# Allegro board RK_EVB1_RK3576_LP4XD200P132SD6_V12_20240530YWQ.brd (continued)
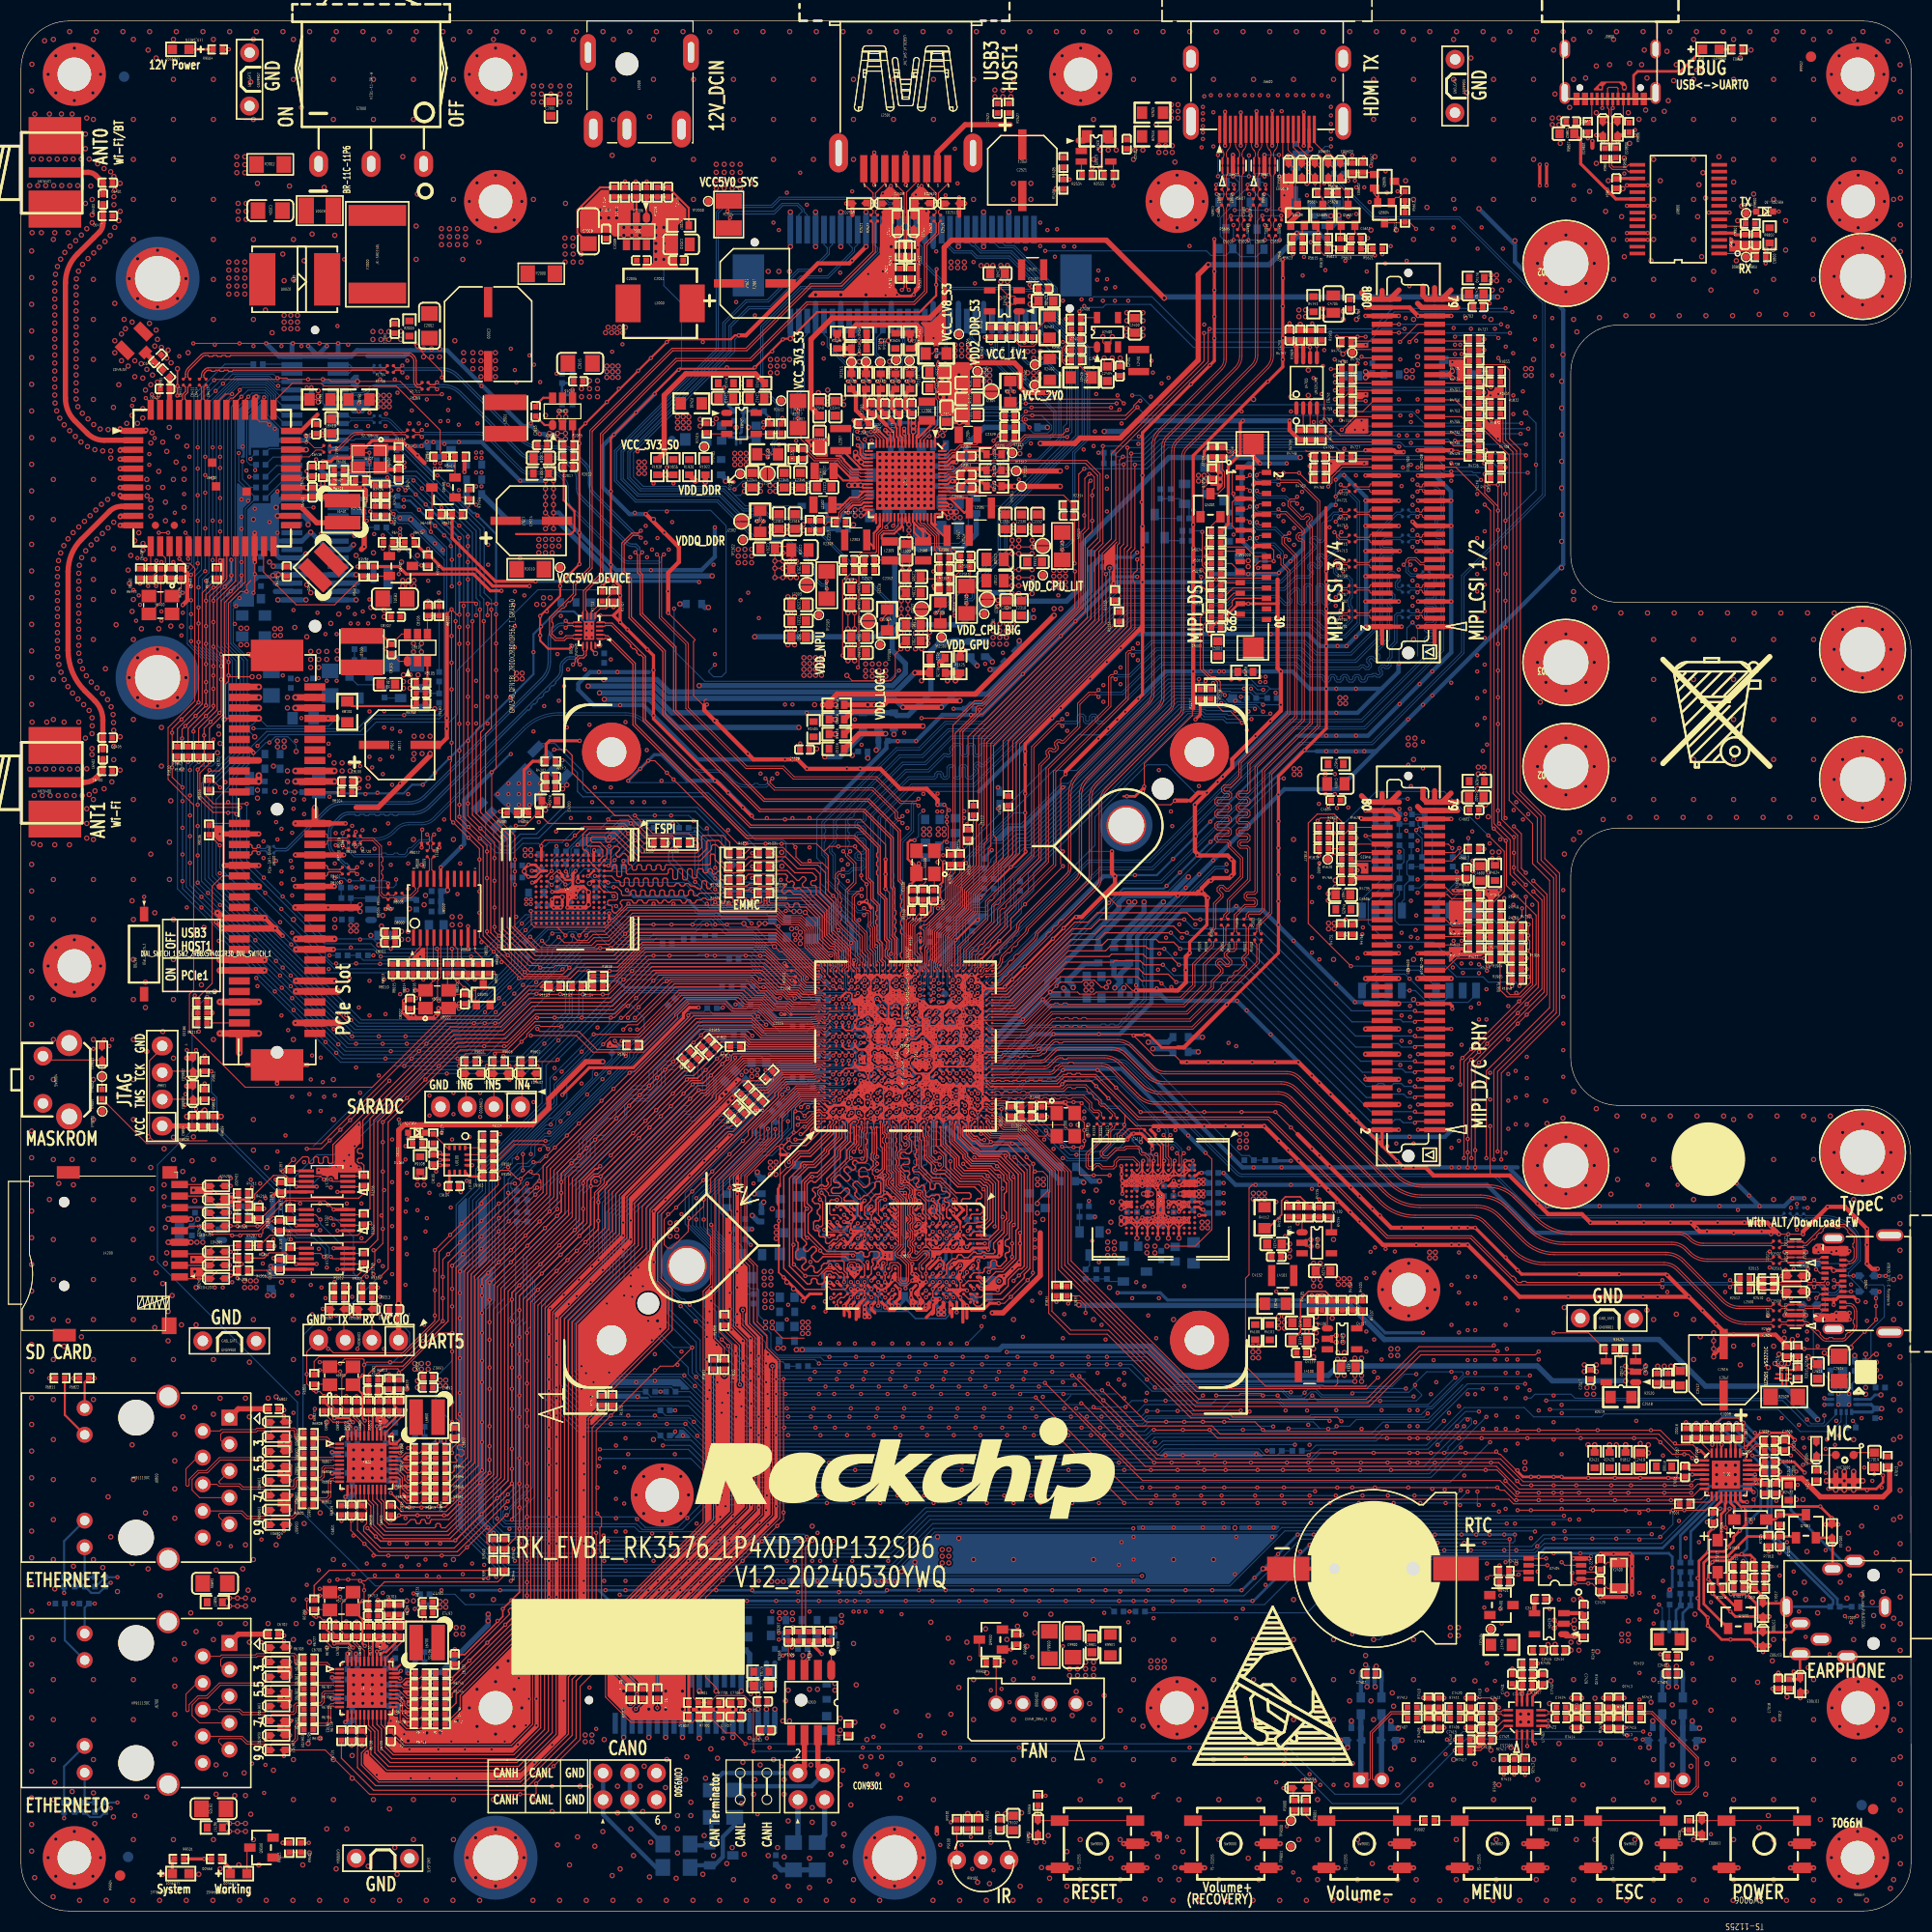
[diagram p0: board, top side]
## Routing (per net, layer and track width the routed paths; a pad name or vN(x,y) marks a point on that pad's centre or on a via; arc(x,y) is an arc through that point) (continued)
AUD_PDM_SDI1: length 2.4
  BOTTOM w0.102: CON7700.34 59,24.71 R7707.2
AUD_PDM_SDI2: length 2.8
  TOP w0.102: R7710.1 59.2,19.87 v1(58.57,19.24)
  BOTTOM w0.102: CON7700.35 58.2,18.87 v1(58.57,19.24)
AUD_PDM_SDI3: length 2.5
  BOTTOM w0.102: CON7700.36 58.2,24.49 R7709.2
AUD_PVDD: length 2.7
  BOTTOM w0.508: 71,23.62 CON7700.4 ; 71.8,23.62 CON7700.2
AUD_SPK1N: length 16.2
  TOP w0.102: J7400.1 128.39,12.48 128.49,12.58 128.49,17.02 130.45,18.98 131.63,18.98 R7412.2
  BOTTOM w0.508: FB7400.2 C7406.1 ED7401.1 127.6,12.49 J7400.1
AUD_SPK1P: length 15.9
  TOP w0.102: J7400.2 128.8,12.48 128.7,12.58 128.7,16.93 130.54,18.78 131.63,18.78 R7407.2
  BOTTOM w0.508: FB7401.2 C7405.1 ED7400.1 129.57,12.5 J7400.2
AUD_SPK2N: length 21.5
  TOP w0.102: J7401.1 157.09,12.48 157.19,12.38 157.19,11.45 157.52,11.12 159.08,11.12 159.76,11.8 159.76,14.61 155.37,18.99 154.6,18.99 R7421.2
  BOTTOM w0.508: J7401.1 156.3,12.49 ED7403.1 C7413.1 FB7402.2
AUD_SPK2P: length 20.5
  TOP w0.102: R7415.2 154.63,18.79 155.29,18.79 159.55,14.52 159.55,11.88 158.99,11.32 157.6,11.32 157.4,11.53 157.4,12.38 157.5,12.48 J7401.2
  BOTTOM w0.508: J7401.2 158.27,12.5 ED7402.1 C7412.1 FB7403.2
AUD_VCC_3V3: length 2.7
  BOTTOM w0.508: v2(71,19.22) CON7700.3 ; v2(71.8,19.22) CON7700.1
AUD_VCCIO: length 2.7
  BOTTOM w0.508: C7704.1 69.4,24.46 CON7700.8
BT_REG_ON_H: length 112
  TOP w0.102: U6400.38 v1(23.15,144.16)
  L4-SIG w0.102: v1(22.3,137.22) 23.26,136.26 23.26,129.74 22.65,129.12 22.65,126.29 23.26,125.67 23.26,110.03 21.88,108.66 21.88,89.38 v1(22.4,88.86)
  BOTTOM w0.102: v1(23.15,144.16) 21.5,142.51 21.5,138.06 21.83,137.74 R6520.1 22.38,137.31 v1(22.3,137.22) ; v1(22.4,88.86) 30.43,80.83 42.84,80.83 43.49,81.48 44.36,81.48 53.51,90.62 67.39,90.62 R1819.2
BT_WAKE_HOST_H: length 203.2
  TOP w0.102: v1(11.88,144.09) 12.35,143.62 U6400.50
  L4-SIG w0.102: v1(116.08,117.31) 116.08,122.13 112.05,126.16 112.05,134.07 110.66,135.46 110.66,145.68 106.24,150.09 106.24,153.9 98.78,161.35 69,161.35 57.44,149.8 42.33,149.8 39.66,147.14 38.52,147.14 36.26,144.88 36.26,141.93 34.46,140.13 23.77,140.13 22.44,138.8 21.84,138.8 v1(21.09,138.05) 15.98,138.05 12.36,141.68 12.36,143.61 v1(11.88,144.09)
  BOTTOM w0.102: v1(21.09,138.05) 21.09,136.37 21.89,135.58 R6518.1 ; v1(116.08,117.31) 115.69,117.7 109.18,117.7 103.49,112.01 100.71,112.01 88.76,100.05 88.76,98.11 86.78,96.13 86.78,94.94 86.02,94.18 86.02,92.51 85.66,92.15 R1120.2
CAN0_RX_M0: length 78.8
  TOP w0.102: v1(74.83,35.63) 74.83,35.37 74.37,34.9 74.37,26.92 R9308.1 ; v1(29.5,69.67) 29.69,69.49 U1301.3
  L4-SIG w0.102: v1(29.5,69.67) 29.38,69.79 29.38,70.1 29.48,70.2 29.99,70.2 31.56,68.63 31.56,65.58 49.45,47.7 52.75,47.7 55.48,44.96 v1(55.48,35.76)
  BOTTOM w0.102: v1(55.48,35.76) 55.64,35.6 63.77,35.6 64.05,35.89 74.58,35.89 v1(74.83,35.63)
CAN0_TX_M0: length 81.3
  TOP w0.102: v1(28.85,69.67) 28.53,69.99 U1301.7 ; v1(75.37,35.25) 74.72,34.6 74.72,26.92 R9305.2 R9306.1
  L4-SIG w0.102: v1(28.85,69.67) 29,69.82 29,70.18 29.38,70.56 30.14,70.56 31.92,68.78 31.92,65.73 49.6,48.05 52.89,48.05 55.9,45.04 v1(55.9,35.25)
  BOTTOM w0.102: v1(55.9,35.25) 63.81,35.25 64.17,35.6 74.36,35.6 74.72,35.25 v1(75.37,35.25)
CANH: length 13.1
  TOP w0.508: U9300.7 75.9,13.78 CON9301.4
  BOTTOM w0.406: CON9301.4 75.28,11.88 68.33,11.88 R9301.1
CANH_CON: length 11.7
  BOTTOM w0.406: CON9300.2 CON9300.1 55.44,9.19 60.48,4.15 R9315.2
CANL: length 13.1
  TOP w0.508: U9300.6 74.62,13.76 CON9301.2
  BOTTOM w0.406: R9302.1 65.75,12.06 66.83,13.14 CON9301.2
CANL_CON: length 8.1
  BOTTOM w0.406: R9316.2 57.98,9.52 CON9300.3 CON9300.4
CLK0N: length 3.1
  TOP w0.089: U8000.19 38.03,97.62 37.81,97.41 37.81,97.15 37.17,96.5 36.47,96.5 R8007.1
CLK0P: length 2.8
  TOP w0.089: R8006.1 36.47,96.73 37.07,96.73 37.59,97.24 37.59,97.4 37.37,97.61 37.38,97.61 U8000.20
CLK1_32K_OUT_WIFI: length 46.9
  TOP w0.102: v1(35.48,133.05) R6514.1
  L4-SIG w0.102: v1(35.48,133.05) 34.08,131.64 34.08,110.31 28.9,105.13 28.9,91.5 v1(29.38,91.01)
  BOTTOM w0.102: R1825.2 v1(29.38,91.01)
CLK1N: length 2.3
  TOP w0.089: U8000.17 39.32,98.31 39.32,98.96 39.11,99.18 39.11,100.21 R8009.1
CLK1P: length 2.3
  TOP w0.089: U8000.18 38.67,98.31 38.67,98.9 38.89,99.12 38.89,100.21 R8008.1
CLK_32KHZ: length 9.2
  TOP w0.102: R6514.2 R6513.2 33.64,132.91 v1(33.26,133.29)
  L4-SIG w0.102: v1(27.85,133.67) 32.88,133.67 v1(33.26,133.29)
  BOTTOM w0.102: v1(27.85,133.67) 27.85,133.67 CON6500.23
CLKIC_OE: length 3.7
  TOP w0.102: R8028.1 R8025.2 41.92,90.82 41.92,92.65 41.93,92.66 U8000.8
CLKIC_PDN: length 2.6
  TOP w0.102: U8000.7 41.27,91.93 41.59,91.62 R8020.2
CLKIC_S0: length 4.2
  TOP w0.102: U8000.2 38.02,92.7 38.02,91.83 R8010.2 R8013.2
CLKIC_S1: length 3.6
  TOP w0.102: U8000.3 38.67,90.55 R8014.2 R8015.2
CLKIC_S2: length 2.5
  TOP w0.102: R8016.2 39.27,90.2 39.27,92.65 39.32,92.7 U8000.4
CON0_I2C_SCL_TP0: length 2
  TOP w0.102: R5014.2 114.5,126.5 CON5000.23
CON0_I2C_SDA_TP0: length 4.7
  TOP w0.102: R5015.1 114.71,125.28 115.43,126 CON5000.24
CON0_LCD0_BL_PWM: length 1.9
  TOP w0.102: CON5000.17 114.43,129.5 R5010.2
CON0_LCD0_ID: length 2.2
  TOP w0.102: CON5000.21 115.3,128.33 R5012.2
CON0_LCD0_PWREN: length 4.6
  TOP w0.102: CON5000.22 118.56,126.94 114.68,126.94 R5013.1
CON0_LCD0_TE: length 4.9
  TOP w0.102: CON5000.18 117.54,129 116.63,129.91 114.72,129.91 R5011.1
CON0_TP0_INT: length 2.4
  TOP w0.102: R5016.2 115.51,125.5 CON5000.25
CON0_TP0_RST: length 5.3
  TOP w0.102: R5017.1 115.36,124.34 115.36,124.79 115.58,125 CON5000.26
CON0_TX0_CLKN: length 51.1
  TOP w0.089: CON5000.8 117.95,134 v1(117.7,133.76) ; v1(119.77,133.5) 119.98,133.28 120.51,133.28 122.22,131.57 122.22,131.26 122,131.04 121.77,131.04 121.68,130.95 121.68,130.77 121.77,130.68 122,130.68 122.22,130.46 122.22,113.39 117.74,108.91 117.74,97.05 117.52,96.83 116.81,96.83 116.72,96.74 116.72,96.56 116.81,96.47 117.52,96.47 117.74,96.25 117.74,95.85 117.52,95.63 116.62,95.63 115.76,94.77 115.76,93.61 115.76,93.26 R5004.1
  BOTTOM w0.089: v1(119.77,133.5) 119.55,133.28 117.84,133.28 117.82,133.29 117.82,133.29 117.59,133.52 117.59,133.65 v1(117.7,133.76)
CON0_TX0_CLKP: length 51.2
  TOP w0.089: v1(119.77,132.84) 119.98,133.05 120.42,133.05 122,131.48 122,131.35 121.91,131.26 121.67,131.26 121.45,131.04 121.45,130.68 121.67,130.46 121.91,130.46 122,130.37 122,113.48 117.52,109 117.52,97.14 117.43,97.05 116.72,97.05 116.5,96.83 116.5,96.47 116.72,96.25 117.43,96.25 117.52,96.16 117.52,95.95 117.43,95.86 116.53,95.86 115.54,94.87 115.54,93.61 115.54,93.26 R5005.2 ; v1(117.04,133.76) 116.79,133.5 CON5000.9
  BOTTOM w0.089: v1(117.04,133.76) 117.73,133.07 117.73,133.07 117.75,133.05 119.55,133.05 v1(119.77,132.84)
CON0_TX0_D0N: length 52.2
  TOP w0.089: v1(119.77,136.49) 119.98,136.28 121.71,136.28 123.7,134.29 123.7,112.83 119.13,108.26 119.13,95.03 117.92,93.82 117.92,93.61 117.92,93.26 R5000.1 ; v1(117.7,136.76) 117.95,137 CON5000.2
  BOTTOM w0.089: v1(119.77,136.49) 119.55,136.28 117.84,136.28 117.59,136.52 117.59,136.65 v1(117.7,136.76)
CON0_TX0_D0P: length 52.3
  TOP w0.089: v1(117.04,136.76) 116.79,136.5 CON5000.3 ; v1(119.77,135.83) 119.98,136.05 121.62,136.05 123.47,134.19 123.47,112.92 118.9,108.35 118.9,95.12 117.7,93.91 117.7,93.61 117.7,93.26 R5001.2
  BOTTOM w0.089: v1(119.77,135.83) 119.55,136.05 117.75,136.05 v1(117.04,136.76)
CON0_TX0_D1N: length 51.6
  TOP w0.089: R5002.2 116.91,94.65 116.91,94.84 117.01,94.94 118.02,94.94 118.43,95.35 118.43,108.55 122.98,113.09 122.98,131.8 122.68,132.09 122.68,132.22 122.96,132.49 122.96,132.81 122.7,133.06 122.39,133.06 122.11,132.79 121.99,132.79 120.89,133.88 120.89,134.16 120.98,134.25 121.33,134.25 v1(121.54,134.03) ; v1(117.04,135.26) 116.8,135.5 CON5000.5
  BOTTOM w0.089: v1(117.04,135.26) 117.75,134.55 120.39,134.55 120.69,134.25 121.33,134.25 v1(121.54,134.03)
CON0_TX0_D1P: length 51.5
  TOP w0.089: CON5000.6 117.96,135 v1(117.7,135.26) ; v1(121.54,134.69) 121.33,134.47 120.89,134.47 120.67,134.25 120.67,133.79 121.9,132.56 122.21,132.56 122.48,132.84 122.61,132.84 122.73,132.71 122.73,132.59 122.46,132.31 122.46,132 122.75,131.7 122.75,113.18 118.21,108.64 118.21,95.44 117.93,95.16 116.92,95.16 116.68,94.93 116.68,94.66 R5003.1
  BOTTOM w0.089: v1(117.7,135.26) 117.59,135.15 117.59,135.03 117.84,134.78 120.48,134.78 120.78,134.47 121.33,134.47 v1(121.54,134.69)
CON0_TX0_D2N: length 54.3
  TOP w0.089: v1(117.04,132.26) 116.8,132.5 CON5000.11 ; R5006.2 114.85,94.55 114.85,94.56 114.77,94.64 114.77,94.76 115.1,95.1 115.1,96.21 117.05,98.16 117.05,101.22 116.83,101.44 116.19,101.44 116.1,101.53 116.1,101.71 116.19,101.8 116.83,101.8 117.05,102.02 117.05,102.38 116.83,102.6 116.06,102.6 115.97,102.69 115.97,102.87 116.06,102.95 116.83,102.95 117.05,103.17 117.05,103.54 116.83,103.76 116.06,103.76 115.97,103.85 115.97,104.02 116.06,104.11 116.83,104.11 117.05,104.33 117.05,104.7 116.83,104.92 116.06,104.92 115.97,105 115.97,105.18 116.06,105.27 116.83,105.27 117.05,105.49 117.05,105.86 116.83,106.08 116.08,106.08 115.99,106.17 115.99,106.35 116.08,106.44 116.83,106.44 117.05,106.66 117.05,109.19 121.53,113.68 121.53,129.09 120.31,130.31 120.31,130.71 120.4,130.79 120.56,130.79 v1(120.78,130.58)
  BOTTOM w0.089: v1(117.04,132.26) 117.75,131.56 119.42,131.56 120.18,130.79 120.56,130.79 v1(120.78,130.58)
CON0_TX0_D2P: length 54.3
  TOP w0.089: v1(117.7,132.26) 117.96,132 CON5000.12 ; R5007.1 114.55,94.68 114.55,94.86 114.88,95.19 114.88,96.31 116.82,98.25 116.82,101.13 116.74,101.22 116.1,101.22 115.88,101.44 115.88,101.8 116.1,102.02 116.74,102.02 116.82,102.11 116.82,102.29 116.74,102.38 115.97,102.38 115.75,102.59 115.75,102.96 115.97,103.18 116.74,103.18 116.82,103.27 116.82,103.44 116.74,103.53 115.97,103.53 115.75,103.75 115.75,104.12 115.97,104.34 116.74,104.34 116.82,104.42 116.82,104.6 116.74,104.69 115.97,104.69 115.75,104.91 115.75,105.27 115.97,105.49 116.74,105.49 116.82,105.58 116.82,105.77 116.74,105.86 115.99,105.86 115.77,106.08 115.77,106.44 115.99,106.66 116.74,106.66 116.82,106.75 116.82,109.29 121.31,113.77 121.31,128.99 120.09,130.22 120.09,130.8 120.31,131.02 120.56,131.02 v1(120.78,131.24)
  BOTTOM w0.089: v1(120.78,131.24) 120.56,131.02 120.28,131.02 119.51,131.78 117.84,131.78 117.59,132.03 117.59,132.15 v1(117.7,132.26)
CON0_TX0_D3N: length 56.8
  TOP w0.089: v1(117.7,130.76) 117.95,131 CON5000.14 ; v1(120.44,129.01) 120.22,128.79 120.22,128.31 120.84,127.69 120.84,113.96 116.21,109.34 116.21,107.98 115.23,107 114.65,107 114.57,106.91 114.57,106.74 114.65,106.65 115.08,106.65 115.3,106.43 115.3,106.06 115.08,105.84 114.02,105.84 113.93,105.76 113.93,105.58 114.02,105.49 115.05,105.49 115.27,105.27 115.27,104.91 115.05,104.69 114.02,104.69 113.93,104.6 113.93,104.42 114.02,104.33 115.05,104.33 115.27,104.11 115.27,103.75 115.05,103.53 114.02,103.53 113.93,103.44 113.93,103.26 114.02,103.17 115.05,103.17 115.27,102.95 115.27,102.59 115.05,102.37 114.02,102.37 113.93,102.28 113.93,102.1 114.02,102.01 114.98,102.01 115.2,101.79 115.2,101.45 116.35,100.29 116.35,98.45 115.04,97.13 114.73,97.13 114.39,97.47 114.26,97.47 114.14,97.34 114.14,97.22 114.48,96.88 114.48,96.57 113.8,95.89 113.8,94.69 113.8,94.58 113.8,93.58 113.6,93.38 113.6,93.26 R5008.1
  BOTTOM w0.089: v1(117.7,130.76) 117.59,130.65 117.59,130.52 117.83,130.28 119.39,130.28 120.22,129.45 120.22,129.23 v1(120.44,129.01)
CON0_TX0_D3P: length 56.9
  TOP w0.089: R5009.2 113.38,93.26 113.38,93.48 113.57,93.67 113.57,94.58 113.57,94.69 113.57,95.98 114.25,96.66 114.25,96.79 113.91,97.12 113.91,97.43 114.17,97.69 114.48,97.69 114.82,97.35 114.95,97.35 116.13,98.54 116.13,100.2 114.98,101.36 114.98,101.7 114.89,101.79 113.93,101.79 113.71,102.01 113.71,102.37 113.93,102.59 114.95,102.59 115.04,102.68 115.04,102.86 114.95,102.95 113.93,102.95 113.71,103.17 113.71,103.53 113.93,103.75 114.95,103.75 115.04,103.84 115.04,104.02 114.95,104.11 113.93,104.11 113.71,104.33 113.71,104.69 113.93,104.91 114.95,104.91 115.04,105 115.04,105.18 114.95,105.27 113.93,105.27 113.71,105.49 113.71,105.85 113.93,106.07 114.98,106.07 115.07,106.16 115.07,106.33 114.98,106.42 114.56,106.42 114.34,106.64 114.34,107.01 114.56,107.23 115.13,107.23 115.99,108.08 115.99,109.43 120.61,114.06 120.61,127.59 119.99,128.21 119.99,128.79 v1(119.78,129.01) ; v1(117.04,130.76) 116.79,130.5 CON5000.15
  BOTTOM w0.089: v1(117.04,130.76) 117.74,130.06 119.29,130.06 119.99,129.36 119.99,129.23 v1(119.78,129.01)
CON_BT_REG_ON_H: length 2.8
  BOTTOM w0.102: R6520.2 24.01,138.47 25.79,138.47 25.79,138.46 25.8,138.46 CON6500.35
CON_BT_WAKE_HOST: length 3.1
  BOTTOM w0.102: R6518.2 24.58,136.87 24.59,136.87 25.12,136.87 25.13,136.86 25.8,136.86 CON6500.31
CON_HOST_WAKE_BT_H: length 3.2
  BOTTOM w0.102: R6522.2 24.8,136.07 24.8,136.07 CON6500.29
CON_PCIE0_REFCLKN: length 3.3
  BOTTOM w0.089: R6502.1 34.39,141.96 34.69,141.96 arc(34.95,141.91) 35.17,141.76 36.06,140.87 36.21,140.73 arc(36.34,140.64) 36.49,140.61 36.61,140.61 R1713.2
CON_PCIE0_REFCLKP: length 3.3
  BOTTOM w0.089: R1715.2 36.61,140.83 36.49,140.83 arc(36.42,140.85) 36.36,140.88 36.22,141.03 35.33,141.92 arc(35.04,142.11) 34.69,142.18 34.39,142.18 R6501.1
CON_PCIE0_RXN: length 8.5
  BOTTOM w0.117: CON6500.50 31.26,144.07 31.55,144.36 32.31,144.36 arc(32.73,144.45) 33.1,144.69 33.35,144.94 arc(33.57,145.08) 33.82,145.14 38.01,145.14 R1708.2
CON_PCIE0_RXP: length 8.5
  BOTTOM w0.089: CON6500.52 30.21,144.87
  BOTTOM w0.117: 30.21,144.87 31.26,144.87 31.55,144.58 32.31,144.58 arc(32.65,144.65) 32.94,144.85 33.19,145.1 arc(33.48,145.29) 33.82,145.36 38,145.36 R1710.2
CON_PCIE0_TXN: length 0.9
  BOTTOM w0.117: C6501.1 34.38,146.74 34.7,146.74 R1705.2
CON_PCIE0_TXP: length 0.9
  BOTTOM w0.117: R1703.2 34.7,146.97 34.41,146.97 C6500.1
CON_PCIE_CLKREQN_L: length 3.7
  BOTTOM w0.102: R6515.2 33.75,133.67 CON6500.24
CON_PCIE_PERSTN_L: length 3.7
  BOTTOM w0.102: R6517.2 31.28,132.79 31.2,132.87 CON6500.22
CON_PCIE_WAKEN_L: length 3.8
  BOTTOM w0.102: CON6500.20 31.5,132.07 31.79,131.77 R6516.2
CON_WIFI_REG_ON_H: length 2.7
  BOTTOM w0.102: CON6500.37 23.67,139.27 R6521.2
CON_WIFI_WAKE_HOST: length 3
  BOTTOM w0.102: R6519.2 24.36,137.67 24.37,137.67 25.46,137.67 25.46,137.66 25.8,137.66 CON6500.33
DDR_PLL_AVDD1V8: length 22.2
  TOP w0.229: U1000.2D2 81.97,79.12 81.97,79.07 v1(81.97,79.07)
  L4-SIG w0.229: 76.75,78.3 76.76,78.32 81.46,78.32 81.97,78.82 v1(81.97,79.07)
  L4-SIG w0.508: v2(70.73,67.51) 70.73,72.29 72.49,74.05 72.49,75.93 74.84,78.28 74.84,78.3 76.75,78.3
  BOTTOM w0.305: C1212.1 81.96,79.07 v1(81.97,79.07)
  BOTTOM w0.508: v2(70.73,67.51) 70.53,67.31 R1202.2
DDR_PLL_AVSS: length 2.1
  TOP w0.229: U1000.2C2 v1(81.29,79.09)
  BOTTOM w0.305: R1203.1 C1212.2 81,78.8 v1(81.29,79.09) 81.63,79.43 C1213.2
DEBUG_USBDM: length 3.9
  TOP w0.107: U9800.16 153.09,165.65 152.88,165.87 151.56,165.87 151.27,166.16 151.27,166.59 R9804.1
DEBUG_USBDM_C: length 8.8
  TOP w0.107: R9804.2 151.24,168.25 151.24,170.27 151.13,170.38 ED9801.1 151.24,170.98 151.24,171.58 151.1,171.72 J9800.A7 151.1,173.57 151.21,173.68 151.99,173.68 152.1,173.57 J9800.B7
DEBUG_USBDP: length 3.5
  TOP w0.107: R9805.1 151.49,166.59 151.49,166.26 151.66,166.09 152.88,166.09 153.09,166.3 U9800.15
DEBUG_USBDP_C: length 7.5
  TOP w0.107: J9800.A6 v1(151.6,171.71) 151.46,171.57 151.46,170.95 ED9800.1 151.57,170.38 151.46,170.27 151.46,168.31 R9805.2 ; J9800.B6 v1(150.6,171.71)
  L4-SIG w0.107: v1(150.6,171.71) v1(151.6,171.71)
DP_TX_AUXN: length 85.5
  TOP w0.107: U1000.2T3 v1(90.42,79.77)
  BOTTOM w0.098: C2501.1 167.72,66.23 144.69,66.23 arc(144.41,66.29) 144.17,66.44 140.79,69.83 arc(140.39,70.09) 139.93,70.18 116.28,70.18 arc(116.08,70.22) 115.9,70.34 105.42,80.82 arc(105.15,81) 104.82,81.07 96.14,81.07 arc(95.73,80.99) 95.38,80.75 94.36,79.74 arc(94.23,79.65) 94.08,79.62 93,79.62 arc(92.76,79.57) 92.55,79.43 92.07,78.95 arc(91.97,78.88) 91.85,78.86 90.9,78.86 90.75,79.01 90.75,79.43 v1(90.42,79.77)
DP_TX_AUXP: length 85.2
  TOP w0.107: U1000.2T2 v1(90.42,79.12)
  BOTTOM w0.098: C2500.1 167.72,66.01 144.69,66.01 arc(144.32,66.08) 144.01,66.29 140.63,69.67 arc(140.31,69.88) 139.93,69.96 116.28,69.96 arc(115.99,70.02) 115.74,70.18 105.26,80.66 arc(105.06,80.8) 104.82,80.85 96.14,80.85 arc(95.81,80.78) 95.54,80.6 94.52,79.58 arc(94.32,79.45) 94.08,79.4 93.73,79.4 93.62,79.28 93.31,79.28 93.2,79.4 93,79.4 arc(92.84,79.37) 92.71,79.27 92.22,78.79 arc(92.05,78.68) 91.85,78.64 90.81,78.64 90.42,79.03 v1(90.42,79.12)
EMMC_CLKOUT: length 15.2
  TOP w0.114: v1(50.54,97.73) 50.2,98.07 U4000.M6
  BOTTOM w0.114: R1337.2 62.42,101.76 61.78,102.4 58.3,102.4 56.05,100.15 55.54,100.15 55.29,99.89 53.15,99.89 52.45,99.2 52.45,98.77 52.12,98.44 51.25,98.44 C4003.1 v1(50.54,97.73)
EMMC_CMD: length 16
  TOP w0.114: v1(50.54,99.05) U4000.M5
  BOTTOM w0.114: R1336.2 62.68,103.49 62.2,103.96 57.06,103.96 55.6,102.5 53.44,102.5 51.89,100.94 R4000.2 51.39,100.4 50.88,100.4 50.54,100.06 v1(50.54,99.05)
EMMC_D0: length 24.3
  TOP w0.114: U4000.A3 v1(55.94,99.57) 56.17,99.8 56.17,101.03 56.54,101.4 56.83,101.4 57.02,101.21 57.02,101.05 56.67,100.7 56.67,100.54 56.83,100.38 57,100.38 57.34,100.72 57.5,100.72 57.83,100.4 57.83,99.75 57.94,99.64 58.09,99.64 58.2,99.53 58.2,99.25 58.31,99.13 58.54,99.13 58.66,99.25 58.66,99.53 58.77,99.64 59,99.64 59.11,99.53 59.11,99.25 59.23,99.13 59.46,99.13 59.57,99.25 59.57,99.53 59.69,99.64 59.91,99.64 60.03,99.53 60.03,99.25 60.14,99.13 60.37,99.13 60.49,99.25 60.49,99.53 60.6,99.64 60.83,99.64 60.94,99.53 60.94,99.25 61.06,99.14 61.22,99.14 61.33,99.25 61.33,99.53 61.45,99.64 65.53,99.64 65.64,99.75 65.64,100.54 65.76,100.66 65.99,100.66 66.1,100.54 66.1,100.13 66.97,99.26 66.97,98.99 67.08,98.88 68.75,98.88 68.99,99.12 69.94,99.12 R1328.2
  BOTTOM w0.114: v1(55.94,99.57) 56.03,99.47 R4001.2
EMMC_D1: length 22.2
  TOP w0.114: R1329.2 66.78,98.21 66.67,98.32 66.67,98.89 66.55,99 66.35,99 66.1,98.76 65.94,98.76 65.83,98.87 65.83,99.14 65.71,99.26 65.55,99.26 65.43,99.14 65.43,98.99 65.32,98.88 65.09,98.88 64.98,98.99 64.98,99.14 64.86,99.26 64.5,99.26 64.38,99.14 64.38,98.48 64.27,98.37 64.04,98.37 63.93,98.48 63.93,99.14 63.81,99.26 63.58,99.26 63.47,99.14 63.47,98.32 63.35,98.21 63.13,98.21 63.01,98.32 63.01,99.14 62.9,99.26 62.65,99.26 62.54,99.14 62.54,98.36 62.42,98.24 62.2,98.24 62.08,98.36 62.08,99.14 61.97,99.26 61.75,99.26 61.64,99.14 61.64,98.86 61.52,98.75 57.75,98.75 57.64,98.86 57.64,99.53 57.52,99.64 57.33,99.64 57.21,99.53 57.21,98.61 57.1,98.5 56.87,98.5 56.75,98.61 56.75,99.53 56.64,99.64 56.49,99.64 56.33,99.48 56.33,99.18 56.22,99.07 U4000.A4
EMMC_D2: length 24.2
  TOP w0.114: R1330.2 69.94,97.85 69.37,97.85 69.13,97.61 67.1,97.61 66.97,97.48 66.59,97.48 66.21,97.86 65.88,97.86 65.76,97.75 65.76,97.54 65.57,97.35 65.42,97.35 65.3,97.47 65.3,98 65.19,98.12 64.96,98.12 64.84,98 64.84,97.47 64.73,97.35 64.43,97.35 64.18,97.61 63.79,97.61 63.68,97.72 63.68,97.75 63.56,97.86 63.33,97.86 63.22,97.75 63.22,97.72 63.1,97.61 62.88,97.61 62.76,97.72 62.76,97.75 62.65,97.86 62.42,97.86 62.3,97.75 62.3,97.72 62.19,97.61 61.69,97.61 61.57,97.72 61.57,98.26 61.46,98.37 61.23,98.37 61.11,98.26 61.11,97.72 61,97.61 60.77,97.61 60.66,97.72 60.66,98.26 60.54,98.37 60.31,98.37 60.2,98.26 60.2,97.72 60.09,97.61 59.86,97.61 59.74,97.72 59.74,98.26 59.63,98.37 59.4,98.37 59.29,98.26 59.29,97.72 59.17,97.61 58.94,97.61 58.83,97.72 58.83,98.26 58.71,98.37 58.49,98.37 58.37,98.26 58.37,97.72 58.26,97.61 58.03,97.61 57.91,97.72 57.91,98.26 57.8,98.37 57.57,98.37 57.46,98.26 57.46,97.72 57.34,97.61 57.19,97.61 57.06,97.73 57.06,98 56.95,98.12 56.68,98.12 56.23,98.57 U4000.A5
EMMC_D3: length 23.9
  TOP w0.114: U4000.B2 55.41,100.43 55.41,101.04 55.03,101.42 54,101.42 53.89,101.53 53.89,102.43 54.14,102.69 56.56,102.69 58.84,100.4 64.56,100.4 65.32,101.16 65.32,101.85 65.43,101.96 66.43,101.96 66.97,101.42 66.97,100.4 67.22,100.15 69.01,100.15 69.25,100.39 69.94,100.39 R1331.2
EMMC_D4: length 21
  TOP w0.114: U4000.B3 55.79,100.31 55.79,101.14 55.14,101.8 54.38,101.8 54.27,101.91 54.27,102.19 54.38,102.31 55.58,102.31 55.69,102.19 55.69,101.91 55.81,101.8 56.05,101.8 56.41,102.16 56.57,102.16 58.71,100.02 64.68,100.02 65.76,101.1 65.76,101.43 65.88,101.54 66.21,101.54 66.59,101.16 66.59,100.15 67.26,99.48 R1332.2
EMMC_D5: length 22
  TOP w0.114: U4000.B4 54.03,100.09 54.03,100.77 53.76,101.04 53.62,101.04 53.51,101.15 53.51,102.56 53.99,103.04 56.83,103.04 59.12,100.76 64.31,100.76 64.83,101.28 64.83,102.32 64.94,102.43 66.84,102.43 67.5,101.77 R1333.2
EMMC_D6: length 19.9
  TOP w0.114: R1334.2 64.63,96.94 64.37,96.68 64.14,96.68 64.03,96.8 64.03,97.11 63.91,97.23 63.69,97.23 63.57,97.11 63.57,96.8 63.46,96.68 63.23,96.68 63.11,96.8 63.11,97.11 63,97.23 62.77,97.23 62.66,97.11 62.66,96.8 62.54,96.68 62.31,96.68 62.2,96.8 62.2,97.11 62.09,97.23 61.86,97.23 61.74,97.11 61.74,96.8 61.63,96.68 61.4,96.68 61.28,96.8 61.28,97.11 61.17,97.23 60.94,97.23 60.83,97.11 60.83,96.8 60.71,96.68 60.48,96.68 60.37,96.8 60.37,97.11 60.26,97.23 60.03,97.23 59.91,97.11 59.91,96.8 59.8,96.68 59.57,96.68 59.46,96.8 59.46,97.11 59.34,97.23 59.11,97.23 59,97.11 59,96.8 58.88,96.68 58.66,96.68 58.54,96.8 58.54,97.11 58.43,97.23 58.2,97.23 58.08,97.11 58.08,96.83 57.97,96.72 57.3,96.72 57.19,96.83 57.19,97.1 56.77,97.52 v1(56.43,97.52) ; U4000.B5 v1(54.66,98.57)
  BOTTOM w0.114: v1(54.66,98.57) 54.79,98.57 55.83,97.52 v1(56.43,97.52)
EMMC_D7: length 25.8
  TOP w0.114: U4000.B6 55.05,97.54 55.56,97.03 56.62,97.03 56.81,96.85 56.81,96.39 56.7,96.27 55.98,96.27 55.87,96.16 55.87,95.88 55.98,95.76 56.19,95.76 56.3,95.65 56.3,95.22 56.48,95.05 56.67,95.05 57.24,95.62 57.24,95.78 57.08,95.94 57.08,96.1 57.27,96.29 58.12,96.29 58.23,96.17 58.23,96.1 58.34,95.99 58.57,95.99 58.69,96.1 58.69,96.17 58.8,96.29 59.1,96.29 59.22,96.17 59.22,96.1 59.33,95.99 59.56,95.99 59.67,96.1 59.67,96.17 59.79,96.29 60.53,96.29 60.64,96.17 60.64,96.1 60.75,95.99 60.98,95.99 61.1,96.1 61.1,96.17 61.21,96.29 61.38,96.29 61.61,96.06 61.77,96.06 61.99,96.29 62.78,96.29 62.9,96.17 62.9,96.1 63.01,95.99 63.24,95.99 63.35,96.1 63.35,96.17 63.47,96.29 63.7,96.29 63.81,96.17 63.81,96.1 63.92,95.99 64.15,95.99 64.27,96.1 64.27,96.17 64.38,96.29 64.76,96.29 64.94,96.46 65.19,96.46 65.36,96.29 65.78,96.29 65.95,96.46 66.46,96.46 66.57,96.35 66.57,96.1 66.68,95.99 66.91,95.99 67.03,96.1 67.03,96.35 67.14,96.46 67.71,96.46 67.83,96.35 67.83,96.1 67.94,95.99 68.17,95.99 68.28,96.1 68.28,96.35 68.4,96.46 69,96.46 69.13,96.34 69.13,96.21 69.24,96.1 69.38,96.1 69.5,96.21 69.5,96.35 69.61,96.46 69.77,96.46 69.89,96.35 69.89,96.1 70,95.99 70.41,95.99 70.53,96.1 70.53,96.71 R1335.2
EMMC_DATA_STROBE: length 7.6
  BOTTOM w0.114: R4004.1 53.81,101.19 54.41,101.8 56.51,101.8 57.87,103.16 R1338.2
EMMC_RSTN: length 12
  TOP w0.114: v1(51.86,97.76) 51.86,97.76 U4000.K5
  BOTTOM w0.114: v1(51.86,97.76) 52.14,97.76 53.63,99.26 55.16,99.26 55.41,99 57.68,99 58.77,100.09 R4006.2 59.52,101.76 R1339.2
ETH_CLK0_25M_OUT_M0: length 19.1
  TOP w0.114: R6709.1 27.92,31 29.37,32.45 R1938.2
ETH_CLK1_25M_OUT_M0: length 31.9
  TOP w0.102: v1(47.03,69.29) 46.33,69.29 39.82,62.78 39.82,56.33 36.28,52.79 28.37,52.79 27.92,52.33 R6809.1
  BOTTOM w0.102: R1900.2 47.21,69.11 v1(47.03,69.29)
FSPI0_CLK/EMMC_CLK: length 25.5
  TOP w0.114: v1(64.18,101.42) 63.92,101.42 R1350.1
  BOTTOM w0.114: R1350.1 63.83,101.76 v1(64.18,101.42) 64.18,98.73 67.26,95.65 70.71,95.65 71.27,96.21 75.57,96.21 78.22,93.56 78.22,91.06 79.51,89.77 R1310.2
FSPI0_CSN0/EMMC_RSTN: length 27.8
  TOP w0.114: R1352.1 61.22,101.71 v1(61.68,101.71) ; U1000.1D23 v1(79.11,88.64)
  BOTTOM w0.114: R1352.1 61.62,101.76 v1(61.68,101.71) 61.68,99.98 64.18,97.48 64.43,97.48 65.7,96.21 65.7,95.84 65.81,95.72 66.59,95.72 67.14,95.18 71.14,95.18 71.57,95.61 75.45,95.61 77.26,93.8 77.26,92.78 77.51,92.53 77.51,91.1 79.11,89.49 v1(79.11,88.64)
FSPI0_D0/EMMC_D0: length 15.8
  TOP w0.089: U1000.E28 78.19,89.69 78.46,89.96 78.46,90.27 78.36,90.37 78.36,91.38
  TOP w0.114: 78.36,91.38 78.36,91.49 77.54,92.31 77.38,92.31 76.74,92.96 76.74,95.33 75.22,96.85 75.22,97.1 74.84,97.48 74.59,97.48 74.41,97.66 74.41,97.83 74.75,98.17 74.75,98.33 74.59,98.5 74.43,98.5 74.08,98.15 73.92,98.15 72.97,99.1 72.09,99.1 v1(71.71,99.48) R1328.1
  BOTTOM w0.114: R1328.1 v1(71.71,99.48)
FSPI0_D1/EMMC_D1: length 17.4
  TOP w0.089: U1000.E29 78.14,90.12 78.14,91.38
  TOP w0.114: R1329.1 68.75,98.21 v1(68.91,98.37) 69.29,98.75 72.81,98.75 72.99,98.57 72.99,98.41 72.9,98.32 72.9,98.15 73.06,97.99 73.22,97.99 73.32,98.08 73.48,98.08 73.64,97.92 73.64,97.76 73.55,97.67 73.55,97.51 73.71,97.35 73.87,97.35 73.96,97.44 74.12,97.44 76.52,95.04 76.52,92.85 77.27,92.1 77.45,92.1 78,91.54 78,91.52 78.14,91.38
  BOTTOM w0.114: v1(68.91,98.37) 68.49,98.79 R1341.1
FSPI0_D2/EMMC_D2: length 15
  TOP w0.089: 77.95,90.58 77.95,90.2 77.92,90.18 77.92,89.29 U1000.1C24
  TOP w0.102: 77.95,90.58 77.89,90.64
  TOP w0.114: R1330.1 v1(71.71,98.21) 71.71,97.96 71.82,97.85 72.57,97.85 72.74,97.68 72.74,97.52 72.46,97.24 72.46,97.07 72.62,96.91 72.78,96.91 73.06,97.2 73.22,97.2 73.57,96.85 74.28,96.85 76.3,94.83 76.3,92.67 77.09,91.88 77.34,91.88 77.89,91.33 77.89,90.64
  BOTTOM w0.114: R1330.1 v1(71.71,98.21)
